# Allegro board 6089-103-RevB_76.brd (continued)
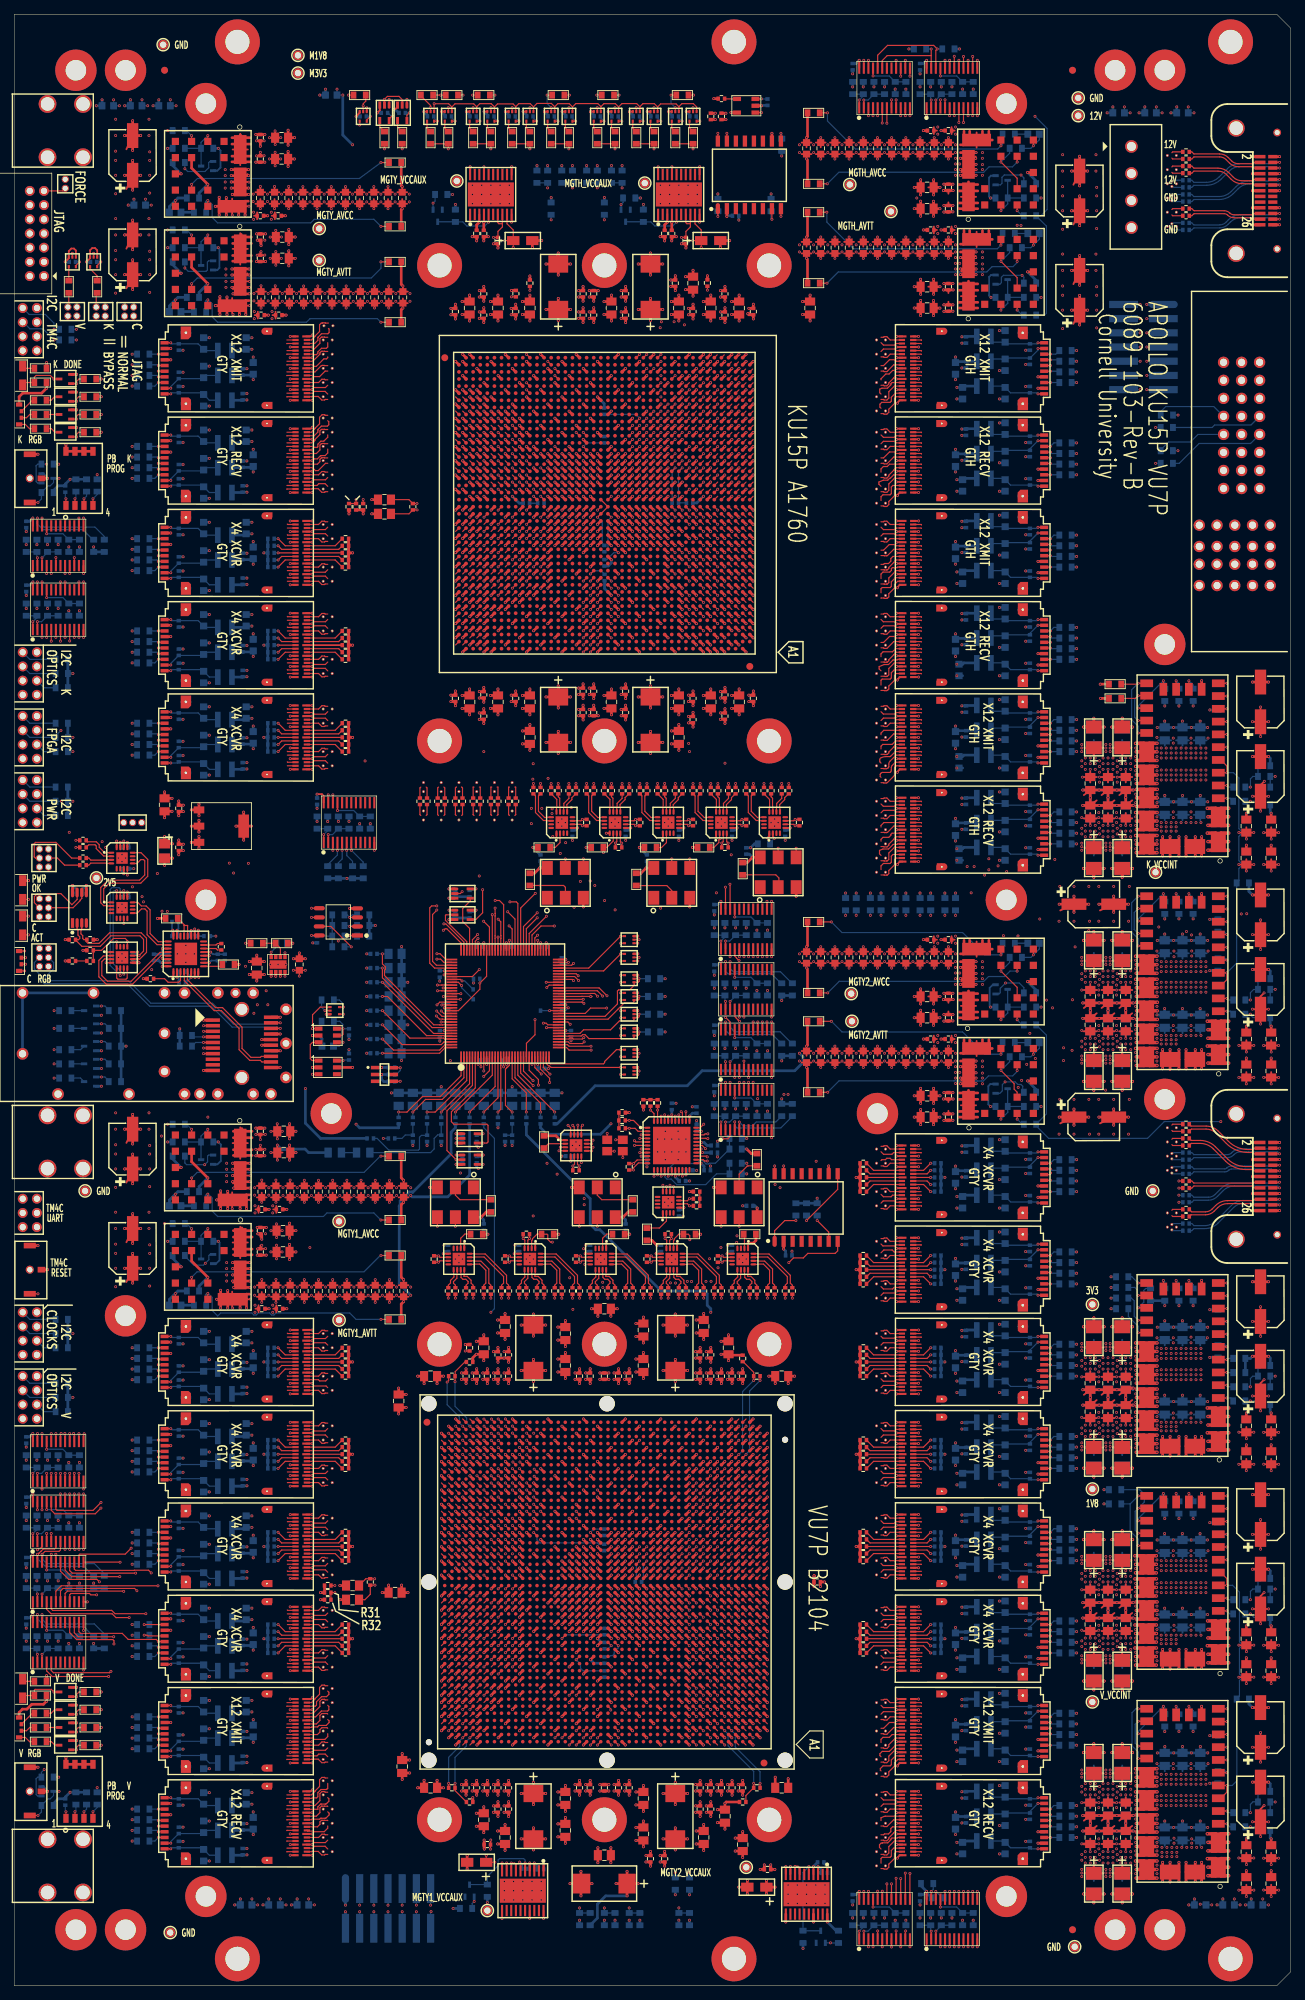
[diagram p0: board, top side]
## Routing (per net, layer and track width the routed paths; a pad name or vN(x,y) marks a point on that pad's centre or on a via; arc(x,y) is an arc through that point) (continued)
  GND4 w0.254: VA32.4 45.16,65.58 ; VA32.4 44.84,65.52 ; VA32.4 45.02,66.31 ; VA32.4 45.25,65.71 ; VA32.4 44.84,66.28 ; VA32.4 45.25,66.09 ; VA32.4 45.16,66.22 ; VA32.4 45.22,65.9 ; 43.56,59.9 43.56,60.28 ; 43.56,59.9 43.15,60.09 ; 43.56,59.9 43.24,59.58 ; 43.56,59.9 43.15,59.71 ; 43.56,59.9 43.56,59.52 ; 43.56,59.9 43.18,59.9 ; 43.56,59.9 43.38,59.49 ; 43.56,59.9 43.24,60.22 ; VA74.3 123.16,212.58 ; VA74.3 122.83,212.52 ; VA74.3 122.83,213.28 ; VA74.3 123.02,213.31 ; VA74.3 123.25,213.09 ; VA74.3 123.25,212.71 ; VA74.3 123.22,212.9 ; VA74.3 123.16,213.22 ; VA47.4 44.84,27.28 ; VA47.4 45.22,26.9 ; VA47.4 44.84,26.52 ; VA47.4 45.16,27.22 ; VA47.4 45.25,27.09 ; VA47.4 45.16,26.58 ; VA47.4 45.25,26.71 ; VA47.4 45.02,27.31 ; VA119.3 123.25,59.71 ; VA119.3 123.22,59.9 ; VA119.3 123.16,60.22 ; VA119.3 122.83,60.28 ; VA119.3 123.16,59.58 ; VA119.3 123.02,60.31 ; VA119.3 122.83,59.52 ; VA119.3 123.25,60.09 ; VA83.3 123.25,192.71 ; VA83.3 122.83,193.28 ; VA83.3 123.02,193.31 ; VA83.3 123.16,193.22 ; VA83.3 123.16,192.58 ; VA83.3 123.22,192.9 ; VA83.3 122.83,192.52 ; VA83.3 123.25,193.09 ; 43.18,171.9 43.56,171.9 ; 43.56,171.9 43.56,171.52 ; 43.56,171.9 43.15,171.71 ; 43.56,171.9 43.24,171.58 ; 43.56,171.9 43.24,172.22 ; 43.56,171.9 43.38,171.49 ; 43.56,171.9 43.56,172.28 ; 43.56,171.9 43.15,172.09 ; 121.38,111.49 VA103.4 ; VA103.4 121.18,111.9 ; VA103.4 121.15,111.71 ; VA103.4 121.15,112.09 ; VA103.4 121.56,111.52 ; VA103.4 121.24,111.58 ; VA103.4 121.24,112.22 ; VA103.4 121.56,112.28 ; VA34.3 45.25,59.71 ; VA34.3 45.16,59.58 ; VA34.3 45.22,59.9 ; VA34.3 44.84,59.52 ; VA34.3 45.16,60.22 ; VA34.3 44.84,60.28 ; VA34.3 45.25,60.09 ; VA34.3 45.02,60.31 ; 141.79,29.97 U116.G1 ; U116.G1 141.47,31.62 ; U116.G1 142.91,30.18 ; U116.G1 142.19,29.96 ; U116.G1 142.91,31.62 ; U116.G1 142.19,31.84 ; U116.G1 141.25,30.9 ; U116.G1 141.47,30.18 ; VA122.4 123.25,51.09 ; VA122.4 123.16,50.58 ; VA122.4 123.02,51.31 ; VA122.4 123.22,50.9 ; VA122.4 123.16,51.22 ; VA122.4 123.25,50.71 ; VA122.4 122.83,51.28 ; VA122.4 122.83,50.52 ; 3.53,243.57 J1.3 ; J1.3 4.2,243.78 ; J1.3 3.32,242.9 ; J1.3 4.87,243.57 ; J1.3 5.08,242.9 ; J1.3 4.87,242.23 ; J1.3 4.2,242.02 ; J1.3 3.53,242.23 ; VA90.3 122.83,178.28 ; VA90.3 123.02,178.31 ; VA90.3 123.16,178.22 ; VA90.3 123.22,177.9 ; VA90.3 123.25,178.09 ; VA90.3 122.83,177.52 ; VA90.3 123.16,177.58 ; VA90.3 123.25,177.71 ; 121.18,223.9 VA69.4 ; VA69.4 121.15,223.71 ; VA69.4 121.56,224.28 ; VA69.4 121.38,223.49 ; VA69.4 121.24,223.58 ; VA69.4 121.24,224.22 ; VA69.4 121.56,223.52 ; VA69.4 121.15,224.09 ; 62.7,168.26 63.11,168.08 ; 62.7,168.26 63.02,167.94 ; 62.7,168.26 62.38,167.94 ; 62.7,168.26 62.29,168.08 ; 62.7,168.26 62.51,167.85 ; 62.7,168.26 62.7,167.88 ; 62.7,168.26 62.32,168.26 ; 62.7,168.26 63.08,168.26 ; U107.G1 142.91,183.18 ; U107.G1 141.47,183.18 ; U107.G1 142.91,184.62 ; U107.G1 141.25,183.9 ; U107.G1 141.79,182.97 ; U107.G1 142.19,184.84 ; U107.G1 142.19,182.96 ; U107.G1 141.47,184.62 ; VA38.3 44.84,47.28 ; VA38.3 45.02,47.31 ; VA38.3 45.16,47.22 ; VA38.3 45.16,46.58 ; VA38.3 44.84,46.52 ; VA38.3 45.25,47.09 ; VA38.3 45.25,46.71 ; VA38.3 45.22,46.9 ; VA44.4 45.25,34.09 ; VA44.4 45.16,34.22 ; VA44.4 44.84,34.28 ; VA44.4 45.16,33.58 ; VA44.4 45.22,33.9 ; VA44.4 45.02,34.31 ; VA44.4 45.25,33.71 ; VA44.4 44.84,33.52 ; 121.15,211.09 VA75.4 ; VA75.4 121.38,210.49 ; VA75.4 121.24,210.58 ; VA75.4 121.18,210.9 ; VA75.4 121.56,211.28 ; VA75.4 121.24,211.22 ; VA75.4 121.56,210.52 ; VA75.4 121.15,210.71 ; 163.84,118.9 164.25,118.71 ; 163.84,118.9 164.22,118.9 ; 163.84,118.9 164.02,119.31 ; 163.84,118.9 163.84,118.52 ; 163.84,118.9 164.16,119.22 ; 163.84,118.9 163.84,119.28 ; 163.84,118.9 164.25,119.09 ; 163.84,118.9 164.16,118.58 ; U105.G1 142.19,210.84 ; U105.G1 141.79,208.97 ; U105.G1 141.47,209.18 ; U105.G1 142.91,210.62 ; U105.G1 141.47,210.62 ; U105.G1 142.91,209.18 ; U105.G1 141.25,209.9 ; U105.G1 142.19,208.96 ; VA10.4 44.84,213.28 ; VA10.4 45.22,212.9 ; VA10.4 44.84,212.52 ; VA10.4 45.02,213.31 ; VA10.4 45.16,213.22 ; VA10.4 45.16,212.58 ; VA10.4 45.25,212.71 ; VA10.4 45.25,213.09 ; 38.31,136.59 U13.23 ; U13.23 37.55,138.35 ; U13.23 39.07,138.35 ; U13.23 39.07,136.83 ; U13.23 37.55,136.83 ; U13.23 37.31,137.59 ; U13.23 38.31,138.59 ; U13.23 39.32,137.59 ; 121.18,37.9 VA126.4 ; VA126.4 121.24,38.22 ; VA126.4 121.56,38.28 ; VA126.4 121.38,37.49 ; VA126.4 121.15,38.09 ; VA126.4 121.56,37.52 ; VA126.4 121.24,37.58 ; VA126.4 121.15,37.71 ; VA62.4 68.02,165.86 ; VA62.4 67.29,165.72 ; VA62.4 67.89,165.95 ; VA62.4 68.11,165.72 ; VA62.4 67.32,165.53 ; VA62.4 68.08,165.53 ; VA62.4 67.7,165.92 ; VA62.4 67.38,165.86 ; 141.47,105.18 U111.G2 ; U111.G2 141.25,105.9 ; U111.G2 141.79,104.97 ; U111.G2 142.91,106.62 ; U111.G2 142.19,106.84 ; U111.G2 142.19,104.96 ; U111.G2 141.47,106.62 ; U111.G2 142.91,105.18 ; 2.53,229.73 J2.8 ; J2.8 3.2,229.52 ; J2.8 3.87,229.73 ; J2.8 2.32,230.4 ; J2.8 3.2,231.28 ; J2.8 3.87,231.07 ; J2.8 2.53,231.07 ; J2.8 4.08,230.4 ; VA5.4 44.84,224.28 ; VA5.4 45.16,223.58 ; VA5.4 44.84,223.52 ; VA5.4 45.25,223.71 ; VA5.4 45.16,224.22 ; VA5.4 45.25,224.09 ; VA5.4 45.22,223.9 ; VA5.4 45.02,224.31 ; 43.56,91.52 43.56,91.9 ; 43.56,91.9 43.24,91.58 ; 43.56,91.9 43.18,91.9 ; 43.56,91.9 43.38,91.49 ; 43.56,91.9 43.15,92.09 ; 43.56,91.9 43.24,92.22 ; 43.56,91.9 43.56,92.28 ; 43.56,91.9 43.15,91.71 ; VA129.3 123.25,32.09 ; VA129.3 122.83,32.28 ; VA129.3 123.25,31.71 ; VA129.3 122.83,31.52 ; VA129.3 123.02,32.31 ; VA129.3 123.16,31.58 ; VA129.3 123.22,31.9 ; VA129.3 123.16,32.22 ; 43.24,174.22 43.56,173.9 ; 43.56,173.9 43.38,173.49 ; 43.56,173.9 43.15,174.09 ; 43.56,173.9 43.15,173.71 ; 43.56,173.9 43.18,173.9 ; 43.56,173.9 43.56,174.28 ; 43.56,173.9 43.56,173.52 ; 43.56,173.9 43.24,173.58 ; U13.25 39.07,127.23 ; U13.25 37.31,127.99 ; U13.25 38.31,126.98 ; U13.25 38.31,128.99 ; U13.25 37.55,128.75 ; U13.25 39.32,127.99 ; U13.25 39.07,128.75 ; U13.25 37.55,127.23 ; VA127.3 123.25,35.71 ; VA127.3 123.16,36.22 ; VA127.3 123.25,36.09 ; VA127.3 123.16,35.58 ; VA127.3 122.83,36.28 ; VA127.3 123.02,36.31 ; VA127.3 123.22,35.9 ; VA127.3 122.83,35.52 ; VA133.3 123.25,22.71 ; VA133.3 123.25,23.09 ; VA133.3 123.02,23.31 ; VA133.3 123.16,22.58 ; VA133.3 123.22,22.9 ; VA133.3 122.83,22.52 ; VA133.3 122.83,23.28 ; VA133.3 123.16,23.22 ; VA73.4 121.56,215.28 ; VA73.4 121.15,215.09 ; VA73.4 121.18,214.9 ; VA73.4 121.24,214.58 ; VA73.4 121.24,215.22 ; VA73.4 121.38,214.49 ; VA73.4 121.56,214.52 ; VA73.4 121.15,214.71 ; 121.24,96.58 VA108.4 ; VA108.4 121.56,97.28 ; VA108.4 121.15,97.09 ; VA108.4 121.24,97.22 ; VA108.4 121.15,96.71 ; VA108.4 121.56,96.52 ; VA108.4 121.18,96.9 ; VA108.4 121.38,96.49 ; 121.15,184.71 VA87.4 ; VA87.4 121.24,184.58 ; VA87.4 121.56,185.28 ; VA87.4 121.15,185.09 ; VA87.4 121.56,184.52 ; VA87.4 121.38,184.49 ; VA87.4 121.18,184.9 ; VA87.4 121.24,185.22 ; P1.P2-1 177.81,202.06 ; P1.P2-1 177.81,203.54 ; P1.P2-1 177.07,203.78 ; P1.P2-1 176.33,203.54 ; P1.P2-1 176.09,202.8 ; P1.P2-1 178.05,202.8 ; P1.P2-1 176.33,202.06 ; P1.P2-1 177.07,201.82 ; VA80.3 122.83,200.28 ; VA80.3 123.25,200.09 ; VA80.3 123.16,200.22 ; VA80.3 123.25,199.71 ; VA80.3 123.22,199.9 ; VA80.3 122.83,199.52 ; VA80.3 123.02,200.31 ; VA80.3 123.16,199.58 ; VA61.4 67.89,169.95 ; VA61.4 68.08,169.53 ; VA61.4 67.29,169.72 ; VA61.4 67.7,169.92 ; VA61.4 67.38,169.86 ; VA61.4 68.11,169.72 ; VA61.4 67.32,169.53 ; VA61.4 68.02,169.86 ; VA20.4 45.16,179.58 ; VA20.4 45.25,179.71 ; VA20.4 44.84,179.52 ; VA20.4 45.16,180.22 ; VA20.4 45.02,180.31 ; VA20.4 44.84,180.28 ; VA20.4 45.22,179.9 ; VA20.4 45.25,180.09 ; VA126.3 123.25,38.09 ; VA126.3 123.02,38.31 ; VA126.3 122.83,37.52 ; VA126.3 123.16,38.22 ; VA126.3 123.16,37.58 ; VA126.3 123.22,37.9 ; VA126.3 123.25,37.71 ; VA126.3 122.83,38.28 ; 44.84,186.52 VA18.3 ; VA18.3 45.22,186.9 ; VA18.3 44.84,187.28 ; VA18.3 45.25,187.09 ; VA18.3 45.02,187.31 ; VA18.3 45.16,186.58 ; VA18.3 45.16,187.22 ; VA18.3 45.25,186.71 ; 43.18,197.9 43.56,197.9 ; 43.56,197.9 43.56,198.28 ; 43.56,197.9 43.56,197.52 ; 43.56,197.9 43.24,198.22 ; 43.56,197.9 43.24,197.58 ; 43.56,197.9 43.15,198.09 ; 43.56,197.9 43.38,197.49 ; 43.56,197.9 43.15,197.71 ; 121.38,29.49 VA130.4 ; VA130.4 121.24,29.58 ; VA130.4 121.15,29.71 ; VA130.4 121.18,29.9 ; VA130.4 121.15,30.09 ; VA130.4 121.56,29.52 ; VA130.4 121.56,30.28 ; VA130.4 121.24,30.22 ; 44.84,50.52 VA37.4 ; VA37.4 45.02,51.31 ; VA37.4 45.16,51.22 ; VA37.4 44.84,51.28 ; VA37.4 45.16,50.58 ; VA37.4 45.25,50.71 ; VA37.4 45.25,51.09 ; VA37.4 45.22,50.9 ; 43.15,47.09 43.56,46.9 ; 43.56,46.9 43.24,46.58 ; 43.56,46.9 43.24,47.22 ; 43.56,46.9 43.15,46.71 ; 43.56,46.9 43.18,46.9 ; 43.56,46.9 43.56,47.28 ; 43.56,46.9 43.56,46.52 ; 43.56,46.9 43.38,46.49 ; VA88.3 123.25,182.71 ; VA88.3 122.83,183.28 ; VA88.3 123.16,182.58 ; VA88.3 123.22,182.9 ; VA88.3 123.02,183.31 ; VA88.3 123.25,183.09 ; VA88.3 123.16,183.22 ; VA88.3 122.83,182.52 ; U13.22 34.69,139.9 ; U13.22 33.69,140.9 ; U13.22 34.45,140.66 ; U13.22 32.69,139.9 ; U13.22 33.69,138.9 ; U13.22 32.93,140.66 ; U13.22 34.45,139.14 ; U13.22 32.93,139.14 ; U13.30 24.01,126.65 ; U13.30 24.77,124.89 ; U13.30 25.02,125.65 ; U13.30 24.77,126.41 ; U13.30 23.25,124.89 ; U13.30 23.25,126.41 ; U13.30 24.01,124.65 ; U13.30 23.01,125.65 ; VA52.3 43.66,234.28 ; VA52.3 43.28,233.9 ; VA52.3 43.34,233.58 ; VA52.3 43.34,234.22 ; VA52.3 43.48,233.49 ; VA52.3 43.25,233.71 ; VA52.3 43.25,234.09 ; VA52.3 43.66,233.52 ; J1.7 4.87,247.57 ; J1.7 3.53,247.57 ; J1.7 3.53,246.23 ; J1.7 5.08,246.9 ; J1.7 4.2,246.02 ; J1.7 4.2,247.78 ; J1.7 3.32,246.9 ; J1.7 4.87,246.23 ; U13.29 26.87,126.32 ; U13.29 26.2,126.53 ; U13.29 26.2,124.77 ; U13.29 25.53,126.32 ; U13.29 27.07,125.65 ; U13.29 25.53,124.98 ; U13.29 25.32,125.65 ; U13.29 26.87,124.98 ; VA2.4 45.16,229.58 ; VA2.4 44.84,230.28 ; VA2.4 45.02,230.31 ; VA2.4 45.25,230.09 ; VA2.4 44.84,229.52 ; VA2.4 45.25,229.71 ; VA2.4 45.22,229.9 ; VA2.4 45.16,230.22 ; 121.56,201.52 VA79.4 ; VA79.4 121.24,202.22 ; VA79.4 121.18,201.9 ; VA79.4 121.56,202.28 ; VA79.4 121.24,201.58 ; VA79.4 121.38,201.49 ; VA79.4 121.15,202.09 ; VA79.4 121.15,201.71 ; 162.15,253.71 VA139.4 ; VA139.4 162.38,253.49 ; VA139.4 162.24,254.22 ; VA139.4 162.56,253.52 ; VA139.4 162.24,253.58 ; VA139.4 162.18,253.9 ; VA139.4 162.56,254.28 ; VA139.4 162.15,254.09 ; VA108.3 122.83,97.28 ; VA108.3 123.25,97.09 ; VA108.3 123.16,96.58 ; VA108.3 123.22,96.9 ; VA108.3 123.16,97.22 ; VA108.3 123.25,96.71 ; VA108.3 123.02,97.31 ; VA108.3 122.83,96.52 ; U106.G1 142.91,197.62 ; U106.G1 142.19,195.96 ; U106.G1 142.91,196.18 ; U106.G1 141.79,195.97 ; U106.G1 141.25,196.9 ; U106.G1 141.47,196.18 ; U106.G1 141.47,197.62 ; U106.G1 142.19,197.84 ; 43.15,177.71 43.56,177.9 ; 43.56,177.9 43.56,178.28 ; 43.56,177.9 43.15,178.09 ; 43.56,177.9 43.38,177.49 ; 43.56,177.9 43.18,177.9 ; 43.56,177.9 43.24,177.58 ; 43.56,177.9 43.56,177.52 ; 43.56,177.9 43.24,178.22 ; 121.56,218.52 VA71.4 ; VA71.4 121.15,218.71 ; VA71.4 121.24,219.22 ; VA71.4 121.18,218.9 ; VA71.4 121.24,218.58 ; VA71.4 121.15,219.09 ; VA71.4 121.38,218.49 ; VA71.4 121.56,219.28 ; 44.84,22.52 VA49.4 ; VA49.4 45.16,23.22 ; VA49.4 45.02,23.31 ; VA49.4 45.22,22.9 ; VA49.4 45.25,22.71 ; VA49.4 44.84,23.28 ; VA49.4 45.25,23.09 ; VA49.4 45.16,22.58 ; 121.38,190.49 VA84.4 ; VA84.4 121.24,191.22 ; VA84.4 121.24,190.58 ; VA84.4 121.56,191.28 ; VA84.4 121.15,190.71 ; VA84.4 121.56,190.52 ; VA84.4 121.18,190.9 ; VA84.4 121.15,191.09 ; VA110.3 121.56,90.28 ; VA110.3 121.24,90.22 ; VA110.3 121.18,89.9 ; VA110.3 121.56,89.52 ; VA110.3 121.15,90.09 ; VA110.3 121.24,89.58 ; VA110.3 121.38,89.49 ; VA110.3 121.15,89.71 ; 121.15,16.71 VA136.4 ; VA136.4 121.38,16.49 ; VA136.4 121.15,17.09 ; VA136.4 121.56,17.28 ; VA136.4 121.56,16.52 ; VA136.4 121.24,16.58 ; VA136.4 121.24,17.22 ; VA136.4 121.18,16.9 ; 121.56,158.52 VA99.4 ; VA99.4 121.24,159.22 ; VA99.4 121.15,158.71 ; VA99.4 121.56,159.28 ; VA99.4 121.38,158.49 ; VA99.4 121.15,159.09 ; VA99.4 121.18,158.9 ; VA99.4 121.24,158.58 ; VA110.4 123.25,90.09 ; VA110.4 122.83,89.52 ; VA110.4 123.22,89.9 ; VA110.4 123.25,89.71 ; VA110.4 123.16,89.58 ; VA110.4 122.83,90.28 ; VA110.4 123.02,90.31 ; VA110.4 123.16,90.22 ; VA15.3 45.22,197.9 ; VA15.3 45.25,198.09 ; VA15.3 45.25,197.71 ; VA15.3 45.16,198.22 ; VA15.3 44.84,197.52 ; VA15.3 45.16,197.58 ; VA15.3 44.84,198.28 ; VA15.3 45.02,198.31 ; U25.G1 24.21,93.84 ; U25.G1 24.93,93.62 ; U25.G1 23.49,92.18 ; U25.G1 25.15,92.9 ; U25.G1 23.49,93.62 ; U25.G1 23.81,91.97 ; U25.G1 24.21,91.96 ; U25.G1 24.93,92.18 ; 23.49,83.62 U25.G2 ; U25.G2 23.49,82.18 ; U25.G2 23.81,81.97 ; U25.G2 24.21,83.84 ; U25.G2 24.21,81.96 ; U25.G2 25.15,82.9 ; U25.G2 24.93,83.62 ; U25.G2 24.93,82.18 ; 142.19,55.96 U114.G1 ; U114.G1 142.91,56.18 ; U114.G1 141.47,57.62 ; U114.G1 141.47,56.18 ; U114.G1 141.25,56.9 ; U114.G1 142.19,57.84 ; U114.G1 141.79,55.97 ; U114.G1 142.91,57.62 ; J12.1 7.74,255.07 ; J12.1 6.66,255.07 ; J12.1 6.66,254 ; J12.1 7.5,255.23 ; J12.1 7.74,254 ; J12.1 7.89,254.53 ; J12.1 7.2,255.22 ; J12.1 6.51,254.53 ; P1.P2-8 169.57,206.78 ; P1.P2-8 168.83,206.54 ; P1.P2-8 170.31,206.54 ; P1.P2-8 168.83,205.06 ; P1.P2-8 170.31,205.06 ; P1.P2-8 168.59,205.8 ; P1.P2-8 169.57,204.82 ; P1.P2-8 170.55,205.8 ; 57.38,163.94 57.7,164.26 ; 57.7,164.26 58.02,163.94 ; 57.7,164.26 58.08,164.26 ; 57.7,164.26 58.11,164.08 ; 57.7,164.26 57.7,163.88 ; 57.7,164.26 57.32,164.26 ; 57.7,164.26 57.29,164.08 ; 57.7,164.26 57.51,163.85 ; VA3.4 45.16,227.58 ; VA3.4 45.22,227.9 ; VA3.4 44.84,227.52 ; VA3.4 45.02,228.31 ; VA3.4 45.16,228.22 ; VA3.4 45.25,228.09 ; VA3.4 44.84,228.28 ; VA3.4 45.25,227.71 ; 11.18,139.02 U13.35 ; U13.35 11.86,140.57 ; U13.35 11.86,139.23 ; U13.35 11.18,140.78 ; U13.35 10.51,139.23 ; U13.35 12.06,139.9 ; U13.35 10.51,140.57 ; U13.35 10.31,139.9 ; 121.56,188.52 VA85.4 ; VA85.4 121.15,189.09 ; VA85.4 121.38,188.49 ; VA85.4 121.24,189.22 ; VA85.4 121.24,188.58 ; VA85.4 121.18,188.9 ; VA85.4 121.15,188.71 ; VA85.4 121.56,189.28 ; 163.84,116.9 164.25,116.71 ; 163.84,116.9 163.84,116.52 ; 163.84,116.9 163.84,117.28 ; 163.84,116.9 164.16,117.22 ; 163.84,116.9 164.25,117.09 ; 163.84,116.9 164.22,116.9 ; 163.84,116.9 164.02,117.31 ; 163.84,116.9 164.16,116.58 ; 23.49,57.62 U27.G2 ; U27.G2 24.93,57.62 ; U27.G2 24.93,56.18 ; U27.G2 23.81,55.97 ; U27.G2 24.21,55.96 ; U27.G2 24.21,57.84 ; U27.G2 25.15,56.9 ; U27.G2 23.49,56.18 ; 121.24,83.58 VA112.4 ; VA112.4 121.15,84.09 ; VA112.4 121.38,83.49 ; VA112.4 121.15,83.71 ; VA112.4 121.24,84.22 ; VA112.4 121.18,83.9 ; VA112.4 121.56,84.28 ; VA112.4 121.56,83.52 ; 121.15,165.09 VA96.4 ; VA96.4 121.56,165.28 ; VA96.4 121.24,164.58 ; VA96.4 121.18,164.9 ; VA96.4 121.24,165.22 ; VA96.4 121.15,164.71 ; VA96.4 121.38,164.49 ; VA96.4 121.56,164.52 ; 43.18,192.9 43.56,192.9 ; 43.56,192.9 43.56,192.52 ; 43.56,192.9 43.24,193.22 ; 43.56,192.9 43.24,192.58 ; 43.56,192.9 43.15,192.71 ; 43.56,192.9 43.38,192.49 ; 43.56,192.9 43.56,193.28 ; 43.56,192.9 43.15,193.09 ; 6.18,124.77 6.18,125.65 ; 6.18,125.65 5.51,124.98 ; 6.18,125.65 5.3,125.65 ; 6.18,125.65 5.51,126.32 ; 6.18,125.65 6.85,124.98 ; 6.18,125.65 6.85,126.32 ; 6.18,125.65 7.06,125.65 ; 6.18,125.65 6.18,126.53 ; VA77.3 123.25,205.71 ; VA77.3 123.02,206.31 ; VA77.3 122.83,205.52 ; VA77.3 123.16,206.22 ; VA77.3 123.25,206.09 ; VA77.3 123.22,205.9 ; VA77.3 123.16,205.58 ; VA77.3 122.83,206.28 ; VA105.4 123.22,104.9 ; VA105.4 122.83,104.52 ; VA105.4 123.16,104.58 ; VA105.4 123.16,105.22 ; VA105.4 123.25,105.09 ; VA105.4 123.25,104.71 ; VA105.4 122.83,105.28 ; VA105.4 123.02,105.31 ; 44.84,52.52 VA36.4 ; VA36.4 45.02,53.31 ; VA36.4 45.16,52.58 ; VA36.4 44.84,53.28 ; VA36.4 45.25,52.71 ; VA36.4 45.22,52.9 ; VA36.4 45.25,53.09 ; VA36.4 45.16,53.22 ; 122.83,221.52 VA70.3 ; VA70.3 123.25,222.09 ; VA70.3 123.16,222.22 ; VA70.3 123.25,221.71 ; VA70.3 123.22,221.9 ; VA70.3 123.02,222.31 ; VA70.3 122.83,222.28 ; VA70.3 123.16,221.58 ; 141.79,39.97 U116.G2 ; U116.G2 142.91,41.62 ; U116.G2 141.47,41.62 ; U116.G2 142.19,39.96 ; U116.G2 142.19,41.84 ; U116.G2 141.47,40.18 ; U116.G2 141.25,40.9 ; U116.G2 142.91,40.18 ; 157.5,246.67 157.5,247.74 ; 157.5,247.74 157.5,248.8 ; 157.5,247.74 156.69,248.54 ; 157.5,247.74 158.31,246.93 ; 157.5,247.74 158.57,247.74 ; 157.5,247.74 156.43,247.74 ; 157.5,247.74 158.31,248.54 ; 157.5,247.74 156.69,246.93 ; 121.24,34.22 VA128.4 ; VA128.4 121.18,33.9 ; VA128.4 121.24,33.58 ; VA128.4 121.56,33.52 ; VA128.4 121.38,33.49 ; VA128.4 121.56,34.28 ; VA128.4 121.15,34.09 ; VA128.4 121.15,33.71 ; 43.56,78.9 43.56,79.28 ; 43.56,78.9 43.38,78.49 ; 43.56,78.9 43.18,78.9 ; 43.56,78.9 43.15,78.71 ; 43.56,78.9 43.24,79.22 ; 43.56,78.9 43.15,79.09 ; 43.56,78.9 43.24,78.58 ; 43.56,78.9 43.56,78.52 ; U104.G1 142.91,222.18 ; U104.G1 142.19,221.96 ; U104.G1 141.25,222.9 ; U104.G1 141.79,221.97 ; U104.G1 142.19,223.84 ; U104.G1 141.47,222.18 ; U104.G1 142.91,223.62 ; U104.G1 141.47,223.62 ; 121.38,98.49 VA107.4 ; VA107.4 121.24,98.58 ; VA107.4 121.18,98.9 ; VA107.4 121.15,99.09 ; VA107.4 121.56,99.28 ; VA107.4 121.56,98.52 ; VA107.4 121.15,98.71 ; VA107.4 121.24,99.22 ; 57.7,168.26 58.08,168.26 ; 57.7,168.26 57.38,167.94 ; 57.7,168.26 57.7,167.88 ; 57.7,168.26 57.51,167.85 ; 57.7,168.26 58.02,167.94 ; 57.7,168.26 57.29,168.08 ; 57.7,168.26 58.11,168.08 ; 57.7,168.26 57.32,168.26 ; VA114.4 123.16,76.58 ; VA114.4 123.16,77.22 ; VA114.4 122.83,76.52 ; VA114.4 122.83,77.28 ; VA114.4 123.22,76.9 ; VA114.4 123.25,76.71 ; VA114.4 123.25,77.09 ; VA114.4 123.02,77.31 ; 121.15,196.09 VA82.4 ; VA82.4 121.56,195.52 ; VA82.4 121.24,195.58 ; VA82.4 121.15,195.71 ; VA82.4 121.18,195.9 ; VA82.4 121.38,195.49 ; VA82.4 121.56,196.28 ; VA82.4 121.24,196.22 ; 121.24,172.22 VA93.4 ; VA93.4 121.24,171.58 ; VA93.4 121.18,171.9 ; VA93.4 121.56,172.28 ; VA93.4 121.15,171.71 ; VA93.4 121.15,172.09 ; VA93.4 121.38,171.49 ; VA93.4 121.56,171.52 ; 163.84,257.9 164.16,258.22 ; 163.84,257.9 164.22,257.9 ; 163.84,257.9 163.84,257.52 ; 163.84,257.9 164.25,257.71 ; 163.84,257.9 164.02,258.31 ; 163.84,257.9 163.84,258.28 ; 163.84,257.9 164.16,257.58 ; 163.84,257.9 164.25,258.09 ; 121.56,22.52 VA133.4 ; VA133.4 121.18,22.9 ; VA133.4 121.24,23.22 ; VA133.4 121.24,22.58 ; VA133.4 121.15,23.09 ; VA133.4 121.56,23.28 ; VA133.4 121.15,22.71 ; VA133.4 121.38,22.49 ; 43.24,214.58 43.56,214.9 ; 43.56,214.9 43.38,214.49 ; 43.56,214.9 43.18,214.9 ; 43.56,214.9 43.15,215.09 ; 43.56,214.9 43.56,214.52 ; 43.56,214.9 43.24,215.22 ; 43.56,214.9 43.56,215.28 ; 43.56,214.9 43.15,214.71 ; 121.24,167.22 VA95.4 ; VA95.4 121.15,167.09 ; VA95.4 121.56,166.52 ; VA95.4 121.24,166.58 ; VA95.4 121.38,166.49 ; VA95.4 121.15,166.71 ; VA95.4 121.56,167.28 ; VA95.4 121.18,166.9 ; VA85.3 123.25,189.09 ; VA85.3 122.83,188.52 ; VA85.3 123.02,189.31 ; VA85.3 123.16,189.22 ; VA85.3 123.25,188.71 ; VA85.3 123.16,188.58 ; VA85.3 122.83,189.28 ; VA85.3 123.22,188.9 ; VA1.4 45.25,232.09 ; VA1.4 45.25,231.71 ; VA1.4 45.16,232.22 ; VA1.4 44.84,232.28 ; VA1.4 45.16,231.58 ; VA1.4 45.22,231.9 ; VA1.4 44.84,231.52 ; VA1.4 45.02,232.31 ; VA6.4 45.22,220.9 ; VA6.4 45.25,221.09 ; VA6.4 45.02,221.31 ; VA6.4 44.84,220.52 ; VA6.4 45.25,220.71 ; VA6.4 45.16,221.22 ; VA6.4 45.16,220.58 ; VA6.4 44.84,221.28 ; 121.24,71.22 VA116.4 ; VA116.4 121.56,70.52 ; VA116.4 121.15,70.71 ; VA116.4 121.24,70.58 ; VA116.4 121.15,71.09 ; VA116.4 121.18,70.9 ; VA116.4 121.38,70.49 ; VA116.4 121.56,71.28 ; 43.15,23.09 43.56,22.9 ; 43.56,22.9 43.38,22.49 ; 43.56,22.9 43.18,22.9 ; 43.56,22.9 43.56,23.28 ; 43.56,22.9 43.15,22.71 ; 43.56,22.9 43.56,22.52 ; 43.56,22.9 43.24,23.22 ; 43.56,22.9 43.24,22.58 ; VA72.3 123.02,217.31 ; VA72.3 122.83,217.28 ; VA72.3 123.22,216.9 ; VA72.3 123.16,217.22 ; VA72.3 123.25,216.71 ; VA72.3 123.16,216.58 ; VA72.3 122.83,216.52 ; VA72.3 123.25,217.09 ; VA8.4 45.25,216.71 ; VA8.4 45.16,216.58 ; VA8.4 45.02,217.31 ; VA8.4 44.84,217.28 ; VA8.4 45.22,216.9 ; VA8.4 44.84,216.52 ; VA8.4 45.25,217.09 ; VA8.4 45.16,217.22 ; 150,265.12 PM22.1 ; PM22.1 150.88,266 ; PM22.1 150,266.88 ; PM22.1 149.12,266 ; PM22.1 149.33,266.67 ; PM22.1 149.33,265.33 ; PM22.1 150.67,266.67 ; PM22.1 150.67,265.33 ; VA42.4 45.25,38.09 ; VA42.4 45.22,37.9 ; VA42.4 45.25,37.71 ; VA42.4 44.84,38.28 ; VA42.4 